# Altium PCB PM12_CFD.PcbDoc (part 4 of 12) (continued)
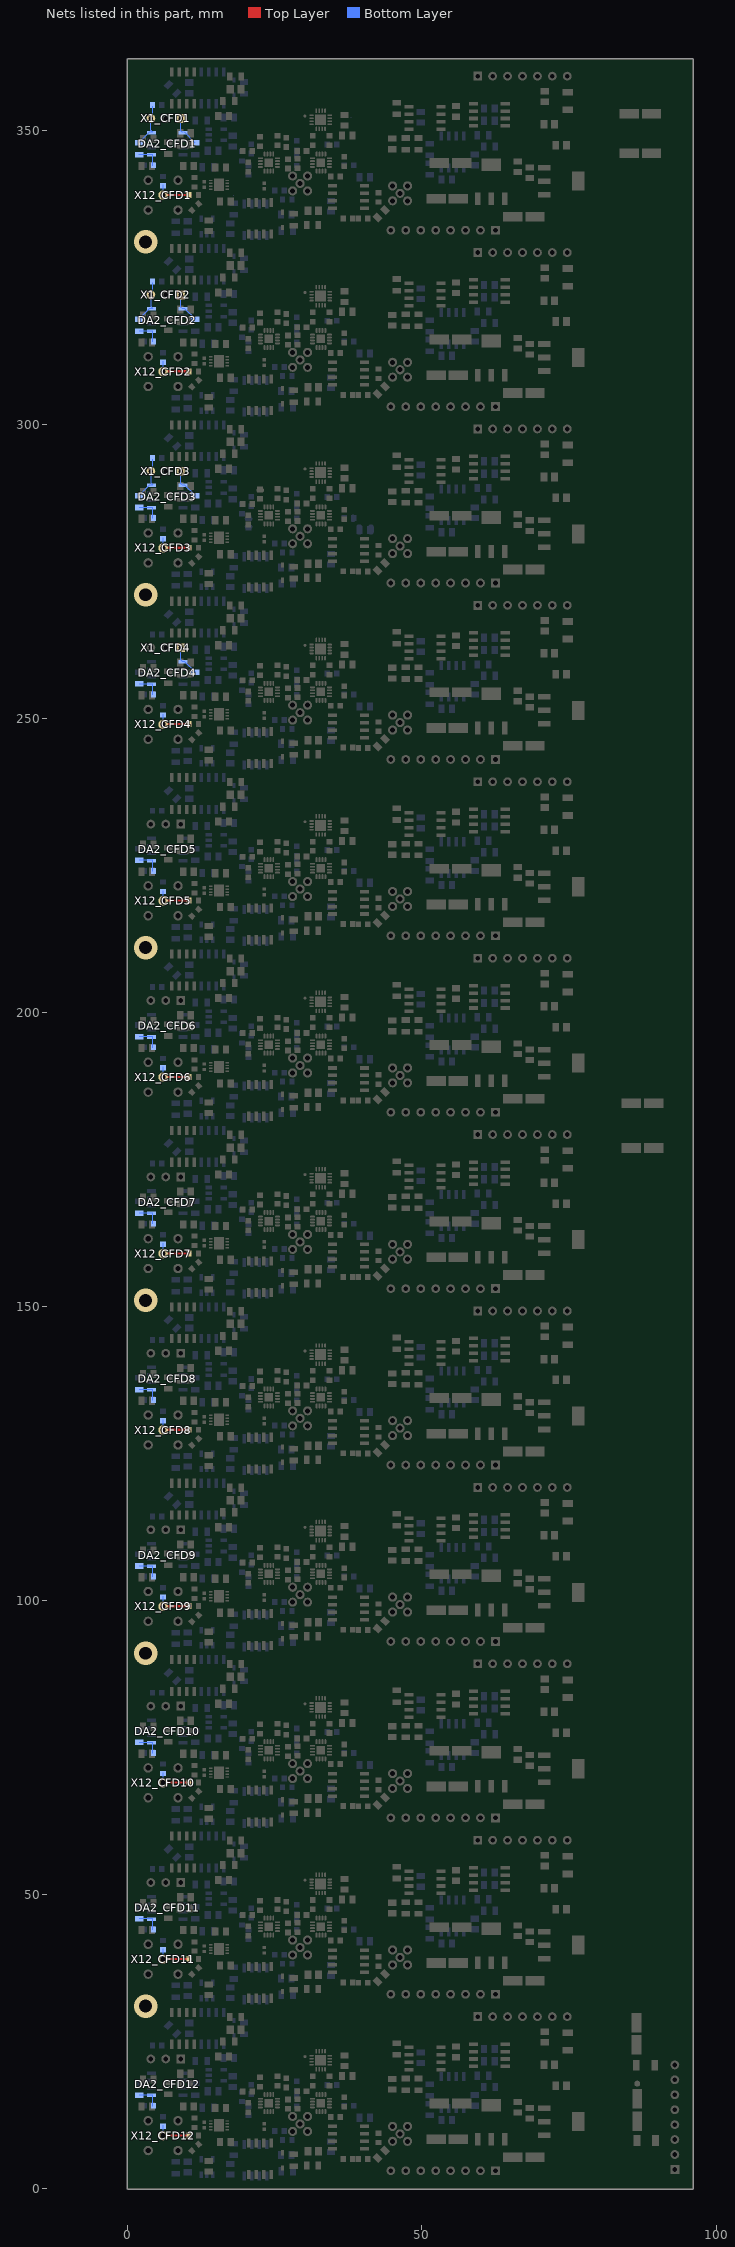
[diagram p8: the nets of this part, all layers, seen from the top]
## Part data (continued)
R1_CFD1 R1_CFD2 R1_CFD3 R1_CFD4 R1_CFD5 R1_CFD6 R1_CFD7 R1_CFD8 R1_CFD9 R1_CFD10 R1_CFD11 R1_CFD12 R25_CFD1 R25_CFD2 R25_CFD3 R25_CFD4 R25_CFD5 R25_CFD6 R25_CFD7 R25_CFD8 R25_CFD9 R25_CFD10 R25_CFD11 R25_CFD12: library part R0805_20R_1%_0.125W_100PPM, "Resistor - 1%", Case=0805, Manufacturer=GENERIC, Manufacturer1 ComponentHeight=0.6mm, Manufacturer1 Example="NIC COMPONENT", Manufacturer1 Part Number=NRC10F20R0TRF, Power=0.125W, Tolerance=±1%, Author="CERN DEM JLC", Component Type=Standard, CreateDate=03.12.2007, HelpURL=\\cern.ch\dfs\Applications\Altium\Datasheets\R0805_NIC_NRC.pdf, LatestRevisionDate=13.03.2008, Manufacturer Part Number=R0805_20R_1%_0.125W_100PPM, Mounted=Yes, Part Description="General Purpose Thick Film Chip Resistor", Part Number=R0805_20R_1%_0.125W_100PPM, Pin Count=2, PressFit=No, Sense=No, SMD=Yes, Socket=No, Status=Preferred, TC=±100ppm/°C
R2_CFD1 R2_CFD2 R2_CFD3 R2_CFD4 R2_CFD5 R2_CFD6 R2_CFD7 R2_CFD8 R2_CFD9 R2_CFD10 R2_CFD11 R2_CFD12: library part R0603_36R_0.1%_0.1W_10PPM, "Resistor - 0.1%", Case=0603, Manufacturer=GENERIC, Manufacturer1 ComponentHeight=0.55mm, Manufacturer1 Example=YAGEO, Manufacturer1 Part Number=RT0603BRC0736RL, Power=0.1W, Tolerance=±0.1%, Author="CERN DEM HF", Component Type=Standard, CreateDate=25.04.2024, HelpURL=\\cern.ch\dfs\Applications\Altium\Datasheets\R0603_YAGEO_RT.pdf, LatestRevisionDate=25.04.2024, Manufacturer Part Number=R0603_36R_0.1%_0.1W_10PPM, Mounted=Yes, Part Description="Thin Film Chip Resistor", Part Number=R0603_36R_0.1%_0.1W_10PPM, Pin Count=2, PressFit=No, Sense=No, SMD=Yes, Socket=No, Status="Not Recommended", TC=±10ppm/°C
R3_CFD1 R3_CFD2 R3_CFD3 R3_CFD4 R3_CFD5 R3_CFD6 R3_CFD7 R3_CFD8 R3_CFD9 R3_CFD10 R3_CFD11 R3_CFD12 R7_CFD1 R7_CFD2 R7_CFD3 R7_CFD4 R7_CFD5 R7_CFD6 R7_CFD7 R7_CFD8 R7_CFD9 R7_CFD10 R7_CFD11 R7_CFD12: library part R0805_51R_1%_0.125W_100PPM, "Resistor - 1%", Case=0805, Manufacturer=GENERIC, Manufacturer1 ComponentHeight=0.6mm, Manufacturer1 Example="NIC COMPONENT", Manufacturer1 Part Number=NRC10F51R0TRF, Power=0.125W, Tolerance=±1%, Author="CERN DEM JLC", Component Type=Standard, CreateDate=03.12.2007, HelpURL=\\cern.ch\dfs\Applications\Altium\Datasheets\R0805_NIC_NRC.pdf, LatestRevisionDate=13.03.2008, Manufacturer Part Number=R0805_51R_1%_0.125W_100PPM, Mounted=Yes, Part Description="General Purpose Thick Film Chip Resistor", Part Number=R0805_51R_1%_0.125W_100PPM, Pin Count=2, PressFit=No, Sense=No, SMD=Yes, Socket=No, Status=Preferred, TC=±100ppm/°C
R4_CFD1 R4_CFD2 R4_CFD3 R4_CFD4 R4_CFD5 R4_CFD6 R4_CFD7 R4_CFD8 R4_CFD9 R4_CFD10 R4_CFD11 R4_CFD12: library part R0603_18R_0.1%_0.1W_25PPM, "Resistor - 0.1%", Case=0603, Manufacturer=GENERIC, Manufacturer1 ComponentHeight=0.55mm, Manufacturer1 Example=YAGEO, Manufacturer1 Part Number=RT0603BRD0718RL, Power=0.1W, Tolerance=±0.1%, Author="CERN DEM HF", Component Type=Standard, CreateDate=25.04.2024, HelpURL=\\cern.ch\dfs\Applications\Altium\Datasheets\R0603_YAGEO_RT.pdf, LatestRevisionDate=25.04.2024, Manufacturer Part Number=R0603_18R_0.1%_0.1W_25PPM, Mounted=Yes, Part Description="Thin Film Chip Resistor", Part Number=R0603_18R_0.1%_0.1W_25PPM, Pin Count=2, PressFit=No, Sense=No, SMD=Yes, Socket=No, Status="Not Recommended", TC=±25ppm/°C
R5_CFD1 R5_CFD2 R5_CFD3 R5_CFD4 R5_CFD5 R5_CFD6 R5_CFD7 R5_CFD8 R5_CFD9 R5_CFD10 R5_CFD11 R5_CFD12: library part R0805_1K_1%_0.125W_100PPM, "Resistor - 1%", Case=0805, Manufacturer=GENERIC, Manufacturer1 ComponentHeight=0.6mm, Manufacturer1 Example="NIC COMPONENT", Manufacturer1 Part Number=NRC10F1001TRF, Power=0.125W, Tolerance=±1%, Author="CERN DEM JLC", Component Type=Standard, CreateDate=03.12.2007, HelpURL=\\cern.ch\dfs\Applications\Altium\Datasheets\R0805_NIC_NRC.pdf, LatestRevisionDate=13.03.2008, Manufacturer Part Number=R0805_1K_1%_0.125W_100PPM, Mounted=Yes, Part Description="General Purpose Thick Film Chip Resistor", Part Number=R0805_1K_1%_0.125W_100PPM, Pin Count=2, PressFit=No, Sense=No, SMD=Yes, Socket=No, Status=Preferred, TC=±100ppm/°C
R6_CFD1 R6_CFD2 R6_CFD3 R6_CFD4 R6_CFD5 R6_CFD6 R6_CFD7 R6_CFD8 R6_CFD9 R6_CFD10 R6_CFD11 R6_CFD12: library part R0402_240R_0.1%_0.0625W_10PPM, "Resistor - 0.1%", Case=0402, Manufacturer=GENERIC, Manufacturer1 ComponentHeight=0.4mm, Manufacturer1 Example=PANASONIC, Manufacturer1 Part Number=ERA2ARB241X, Power=0.063W, Tolerance=±0.1%, Author="CERN DEM HF", Component Type=Standard, CreateDate=25.04.2024, HelpURL=\\cern.ch\dfs\Applications\Altium\Datasheets\R0402_PANASONIC_ERA.pdf, LatestRevisionDate=25.04.2024, Manufacturer Part Number=R0402_240R_0.1%_0.0625W_10PPM, Mounted=Yes, Part Description="Thick Film Chip Resistor", Part Number=R0402_240R_0.1%_0.0625W_10PPM, Pin Count=2, PressFit=No, Sense=No, SMD=Yes, Socket=No, Status="Not Recommended", TC=±10ppm/°C
R8_CFD1 R8_CFD2 R8_CFD3 R8_CFD4 R8_CFD5 R8_CFD6 R8_CFD7 R8_CFD8 R8_CFD9 R8_CFD10 R8_CFD11 R8_CFD12 R48_CFD1 R48_CFD2 R48_CFD3 R48_CFD4 R48_CFD5 R48_CFD6 R48_CFD7 R48_CFD8 R48_CFD9 R48_CFD10 R48_CFD11 R48_CFD12: library part R0805_680R_0.05%_0.125W_10PPM, "Resistor - 0.05%", Case=0805, Manufacturer=GENERIC, Manufacturer1 ComponentHeight=0.5mm, Manufacturer1 Example=SUSUMU, Manufacturer1 Part Number=RG2012N-681-W-T1, Power=0.1W, Tolerance=±0.1%, Author="CERN DEM HF", Component Type=Standard, CreateDate=25.04.2024, HelpURL=\\cern.ch\dfs\Applications\Altium\Datasheets\R0805_SUSUMU_RG.pdf, LatestRevisionDate=25.04.2024, Manufacturer Part Number=R0805_680R_0.05%_0.125W_10PPM, Mounted=Yes, Part Description="Thin Film Chip Resistor", Part Number=R0805_680R_0.05%_0.125W_10PPM, Pin Count=2, PressFit=No, Sense=No, SMD=Yes, Socket=No, Status="Not Recommended", TC=±10ppm/°C
R9_CFD1 R9_CFD2 R9_CFD3 R9_CFD4 R9_CFD5 R9_CFD6 R9_CFD7 R9_CFD8 R9_CFD9 R9_CFD10 R9_CFD11 R9_CFD12 R19_CFD1 R19_CFD2 R19_CFD3 R19_CFD4 R19_CFD5 R19_CFD6 R19_CFD7 R19_CFD8 R19_CFD9 R19_CFD10 R19_CFD11 R19_CFD12 R45_CFD1 R45_CFD2 R45_CFD3 R45_CFD4 R45_CFD5 R45_CFD6 R45_CFD7 R45_CFD8 R45_CFD9 R45_CFD10 R45_CFD11 R45_CFD12 R50_CFD1 R50_CFD2 R50_CFD3 R50_CFD4 R50_CFD5 R50_CFD6 R50_CFD7 R50_CFD8 R50_CFD9 R50_CFD10 R50_CFD11 R50_CFD12: library part R0603_510R_0.1%_0.1W_10PPM, "Resistor - 0.05%", Case=0805, Manufacturer=GENERIC, Manufacturer1 ComponentHeight=0.5mm, Manufacturer1 Example=SUSUMU, Manufacturer1 Part Number=RG1608N-511-W-T1, Power=0.1W, Tolerance=±0.1%, Author="CERN DEM HF", Component Type=Standard, CreateDate=25.04.2024, HelpURL=\\cern.ch\dfs\Applications\Altium\Datasheets\R0603_SUSUMU_RG.pdf, LatestRevisionDate=25.04.2024, Manufacturer Part Number=R0603_510R_0.1%_0.1W_10PPM, Mounted=Yes, Part Description="Thin Film Chip Resistor", Part Number=R0603_510R_0.1%_0.1W_10PPM, Pin Count=2, PressFit=No, Sense=No, SMD=Yes, Socket=No, Status="Not Recommended", TC=±10ppm/°C
R10_CFD1 R10_CFD2 R10_CFD3 R10_CFD4 R10_CFD5 R10_CFD6 R10_CFD7 R10_CFD8 R10_CFD9 R10_CFD10 R10_CFD11 R10_CFD12 R41_CFD1 R41_CFD2 R41_CFD3 R41_CFD4 R41_CFD5 R41_CFD6 R41_CFD7 R41_CFD8 R41_CFD9 R41_CFD10 R41_CFD11 R41_CFD12: library part R0805_51R_0.05%_0.125W_10PPM, "Resistor - 0.05%", Case=0805, Manufacturer=GENERIC, Manufacturer1 ComponentHeight=0.5mm, Manufacturer1 Example=SUSUMU, Manufacturer1 Part Number=RG2012N-510-W-T1, Power=0.1W, Tolerance=±0.1%, Author="CERN DEM HF", Component Type=Standard, CreateDate=25.04.2024, HelpURL=\\cern.ch\dfs\Applications\Altium\Datasheets\R0805_SUSUMU_RG.pdf, LatestRevisionDate=25.04.2024, Manufacturer Part Number=R0805_51R_0.05%_0.125W_10PPM, Mounted=Yes, Part Description="Thin Film Chip Resistor", Part Number=R0805_51R_0.05%_0.125W_10PPM, Pin Count=2, PressFit=No, Sense=No, SMD=Yes, Socket=No, Status="Not Recommended", TC=±10ppm/°C
R11_CFD1 R11_CFD2 R11_CFD3 R11_CFD4 R11_CFD5 R11_CFD6 R11_CFD7 R11_CFD8 R11_CFD9 R11_CFD10 R11_CFD11 R11_CFD12: library part R0603_75R_0.1%_0.063W_10PPM, "Resistor - 0.1%", Case=0603, Manufacturer=GENERIC, Manufacturer1 ComponentHeight=0.5mm, Manufacturer1 Example="TYCO HOLSWORTHY", Manufacturer1 Part Number=RN73C1J75RBTDF, Power=0.063W, Tolerance=±0.1%, Author="CERN DEM JLC", Component Type=Standard, CreateDate=03.12.2007, HelpURL=\\cern.ch\dfs\Applications\Altium\Datasheets\R0603_Tyco_RN73.pdf, LatestRevisionDate=13.03.2008, Manufacturer Part Number=R0603_75R_0.1%_0.063W_10PPM, Mounted=Yes, Part Description="Thin Film Chip Resistor", Part Number=R0603_75R_0.1%_0.063W_10PPM, Pin Count=2, PressFit=No, Sense=No, SMD=Yes, Socket=No, Status="Not Recommended", TC=±10ppm
R12_CFD1 R12_CFD2 R12_CFD3 R12_CFD4 R12_CFD5 R12_CFD6 R12_CFD7 R12_CFD8 R12_CFD9 R12_CFD10 R12_CFD11 R12_CFD12 R16_CFD1 R16_CFD2 R16_CFD3 R16_CFD4 R16_CFD5 R16_CFD6 R16_CFD7 R16_CFD8 R16_CFD9 R16_CFD10 R16_CFD11 R16_CFD12 R17_CFD1 R17_CFD2 R17_CFD3 R17_CFD4 R17_CFD5 R17_CFD6 R17_CFD7 R17_CFD8 R17_CFD9 R17_CFD10 R17_CFD11 R17_CFD12 R42_CFD1 R42_CFD2 R42_CFD3 R42_CFD4 R42_CFD5 R42_CFD6 R42_CFD7 R42_CFD8 R42_CFD9 R42_CFD10 R42_CFD11 R42_CFD12: library part R0805_10K_0.1%_0.1W_10PPM, "Resistor - 0.1%", Case=0805, Manufacturer=GENERIC, Manufacturer1 ComponentHeight=0.6mm, Manufacturer1 Example="TYCO HOLSWORTHY", Manufacturer1 Part Number=RN73C2A10KBTG, Power=0.1W, Tolerance=±0.1%, Author="CERN DEM JLC", Component Type=Standard, CreateDate=03.12.2007, HelpURL=\\cern.ch\dfs\Applications\Altium\Datasheets\R0805_Tyco_RN73.pdf, LatestRevisionDate=13.03.2008, Manufacturer Part Number=R0805_10K_0.1%_0.1W_10PPM, Mounted=Yes, Part Description="Thin Film Chip Resistor", Part Number=R0805_10K_0.1%_0.1W_10PPM, Pin Count=2, PressFit=No, Sense=No, SMD=Yes, Socket=No, Status="Not Recommended", TC=±10ppm
R13_CFD1 R13_CFD2 R13_CFD3 R13_CFD4 R13_CFD5 R13_CFD6 R13_CFD7 R13_CFD8 R13_CFD9 R13_CFD10 R13_CFD11 R13_CFD12 R43_CFD1 R43_CFD2 R43_CFD3 R43_CFD4 R43_CFD5 R43_CFD6 R43_CFD7 R43_CFD8 R43_CFD9 R43_CFD10 R43_CFD11 R43_CFD12: library part R0805_1K_0.1%_0.1W_10PPM, "Resistor - 0.1%", Case=0805, Manufacturer=GENERIC, Manufacturer1 ComponentHeight=0.6mm, Manufacturer1 Example="TYCO HOLSWORTHY", Manufacturer1 Part Number=RN73C2A1K0BTG, Power=0.1W, Tolerance=±0.1%, Author="CERN DEM JLC", Component Type=Standard, CreateDate=28.05.2013, HelpURL=\\cern.ch\dfs\Applications\Altium\Datasheets\R0805_TYCO_RN73.pdf, LatestRevisionDate=28.05.2013, Manufacturer Part Number=R0805_1K_0.1%_0.1W_10PPM, Mounted=Yes, Part Description="Thin Film Chip Resistor", Part Number=R0805_1K_0.1%_0.1W_10PPM, Pin Count=2, PressFit=No, Sense=No, SMD=Yes, Socket=No, Status="Not Recommended", TC=±10ppm
R14_CFD1 R14_CFD2 R14_CFD3 R14_CFD4 R14_CFD5 R14_CFD6 R14_CFD7 R14_CFD8 R14_CFD9 R14_CFD10 R14_CFD11 R14_CFD12: library part R0805_20R_0.1%_0.1W_10PPM, "Resistor - 0.1%", Case=0805, Manufacturer=GENERIC, Manufacturer1 ComponentHeight=0.6mm, Manufacturer1 Example="TYCO HOLSWORTHY", Manufacturer1 Part Number=RN73C2A20RBTG, Power=0.1W, Tolerance=±0.1%, Author="CERN DEM JLC", Component Type=Standard, CreateDate=03.12.2007, HelpURL=\\cern.ch\dfs\Applications\Altium\Datasheets\R0805_Tyco_RN73.pdf, LatestRevisionDate=13.03.2008, Manufacturer Part Number=R0805_20R_0.1%_0.1W_10PPM, Mounted=Yes, Part Description="Thin Film Chip Resistor", Part Number=R0805_20R_0.1%_0.1W_10PPM, Pin Count=2, PressFit=No, Sense=No, SMD=Yes, Socket=No, Status="Not Recommended", TC=±10ppm
R15_CFD1 R15_CFD2 R15_CFD3 R15_CFD4 R15_CFD5 R15_CFD6 R15_CFD7 R15_CFD8 R15_CFD9 R15_CFD10 R15_CFD11 R15_CFD12: library part R0805_100R_0.1%_0.1W_10PPM, "Resistor - 0.1%", Case=0805, Manufacturer=GENERIC, Manufacturer1 ComponentHeight=0.6mm, Manufacturer1 Example="TYCO HOLSWORTHY", Manufacturer1 Part Number=RN73C2A100RBTG, Power=0.1W, Tolerance=±0.1%, Author="CERN DEM JLC", Component Type=Standard, CreateDate=03.12.2007, HelpURL=\\cern.ch\dfs\Applications\Altium\Datasheets\R0805_Tyco_RN73.pdf, LatestRevisionDate=13.03.2008, Manufacturer Part Number=R0805_100R_0.1%_0.1W_10PPM, Mounted=Yes, Part Description="Thin Film Chip Resistor", Part Number=R0805_100R_0.1%_0.1W_10PPM, Pin Count=2, PressFit=No, Sense=No, SMD=Yes, Socket=No, Status="Not Recommended", TC=±10ppm
R18_CFD1 R18_CFD2 R18_CFD3 R18_CFD4 R18_CFD5 R18_CFD6 R18_CFD7 R18_CFD8 R18_CFD9 R18_CFD10 R18_CFD11 R18_CFD12 R44_CFD1 R44_CFD2 R44_CFD3 R44_CFD4 R44_CFD5 R44_CFD6 R44_CFD7 R44_CFD8 R44_CFD9 R44_CFD10 R44_CFD11 R44_CFD12: library part R0805_200R_0.1%_0.1W_10PPM, "Resistor - 0.1%", Case=0805, Manufacturer=GENERIC, Manufacturer1 ComponentHeight=0.6mm, Manufacturer1 Example="TYCO HOLSWORTHY", Manufacturer1 Part Number=RN73C2A200RBTG, Power=0.1W, Tolerance=±0.1%, Author="CERN DEM JLC", Component Type=Standard, CreateDate=03.12.2007, HelpURL=\\cern.ch\dfs\Applications\Altium\Datasheets\R0805_Tyco_RN73.pdf, LatestRevisionDate=13.03.2008, Manufacturer Part Number=R0805_200R_0.1%_0.1W_10PPM, Mounted=Yes, Part Description="Thin Film Chip Resistor", Part Number=R0805_200R_0.1%_0.1W_10PPM, Pin Count=2, PressFit=No, Sense=No, SMD=Yes, Socket=No, Status="Not Recommended", TC=±10ppm
R20_CFD1 R20_CFD2 R20_CFD3 R20_CFD4 R20_CFD5 R20_CFD6 R20_CFD7 R20_CFD8 R20_CFD9 R20_CFD10 R20_CFD11 R20_CFD12: library part R0603_240R_1%_0.1W_100PPM, "Resistor - 1%", Case=0603, Manufacturer=GENERIC, Manufacturer1 ComponentHeight=0.55mm, Manufacturer1 Example="NIC COMPONENT", Manufacturer1 Part Number=NRC06F2400TRF, Power=0.1W, Tolerance=±1%, Author="CERN DEM JLC", Component Type=Standard, CreateDate=03.12.2007, HelpURL=\\cern.ch\dfs\Applications\Altium\Datasheets\R0603_NIC_NRC.pdf, LatestRevisionDate=13.03.2008, Manufacturer Part Number=R0603_240R_1%_0.1W_100PPM, Mounted=Yes, Part Description="General Purpose Thick Film Chip Resistor", Part Number=R0603_240R_1%_0.1W_100PPM, Pin Count=2, PressFit=No, Sense=No, SMD=Yes, Socket=No, Status=Preferred, TC=±100ppm/°C
R21_CFD1 R21_CFD2 R21_CFD3 R21_CFD4 R21_CFD5 R21_CFD6 R21_CFD7 R21_CFD8 R21_CFD9 R21_CFD10 R21_CFD11 R21_CFD12: library part R0603_120R_0.05%_0.1W_10PPM, "Resistor - 0.05%", Case=0805, Manufacturer=GENERIC, Manufacturer1 ComponentHeight=0.5mm, Manufacturer1 Example=SUSUMU, Manufacturer1 Part Number=RG1608N-121-W-T1, Power=0.1W, Tolerance=±0.05%, Author="CERN DEM HF", Component Type=Standard, CreateDate=25.04.2024, HelpURL=\\cern.ch\dfs\Applications\Altium\Datasheets\R0603_SUSUMU_RG.pdf, LatestRevisionDate=25.04.2024, Manufacturer Part Number=R0603_120R_0.05%_0.1W_10PPM, Mounted=Yes, Part Description="Thin Film Chip Resistor", Part Number=R0603_120R_0.05%_0.1W_10PPM, Pin Count=2, PressFit=No, Sense=No, SMD=Yes, Socket=No, Status="Not Recommended", TC=±10ppm/°C
R22_CFD1 R22_CFD2 R22_CFD3 R22_CFD4 R22_CFD5 R22_CFD6 R22_CFD7 R22_CFD8 R22_CFD9 R22_CFD10 R22_CFD11 R22_CFD12 R23_CFD1 R23_CFD2 R23_CFD3 R23_CFD4 R23_CFD5 R23_CFD6 R23_CFD7 R23_CFD8 R23_CFD9 R23_CFD10 R23_CFD11 R23_CFD12: library part R0603_3K3_1%_0.1W_100PPM, "Resistor - 1%", Case=0603, Manufacturer=GENERIC, Manufacturer1 ComponentHeight=0.55mm, Manufacturer1 Example="NIC COMPONENT", Manufacturer1 Part Number=NRC06F3301TRF, Power=0.1W, Tolerance=±1%, Author="CERN DEM JLC", Component Type=Standard, CreateDate=03.12.2007, HelpURL=\\cern.ch\dfs\Applications\Altium\Datasheets\R0603_NIC_NRC.pdf, LatestRevisionDate=13.03.2008, Manufacturer Part Number=R0603_3K3_1%_0.1W_100PPM, Mounted=Yes, Part Description="General Purpose Thick Film Chip Resistor", Part Number=R0603_3K3_1%_0.1W_100PPM, Pin Count=2, PressFit=No, Sense=No, SMD=Yes, Socket=No, Status=Preferred, TC=±100ppm/°C
R24_CFD1 R24_CFD2 R24_CFD3 R24_CFD4 R24_CFD5 R24_CFD6 R24_CFD7 R24_CFD8 R24_CFD9 R24_CFD10 R24_CFD11 R24_CFD12: library part R0603_16R_0.1%_0.1W_10PPM, "Resistor - 0.1%", Case=0603, Manufacturer=GENERIC, Manufacturer1 ComponentHeight=0.55mm, Manufacturer1 Example=YAGEO, Manufacturer1 Part Number=RT0603BRB0716RL, Power=0.1W, Tolerance=±0.1%, Author="CERN DEM HF", Component Type=Standard, CreateDate=25.04.2024, HelpURL=\\cern.ch\dfs\Applications\Altium\Datasheets\R0603_YAGEO_RT.pdf, LatestRevisionDate=25.04.2024, Manufacturer Part Number=R0603_16R_0.1%_0.1W_10PPM, Mounted=Yes, Part Description="Thin Film Chip Resistor", Part Number=R0603_16R_0.1%_0.1W_10PPM, Pin Count=2, PressFit=No, Sense=No, SMD=Yes, Socket=No, Status="Not Recommended", TC=±10ppm/°C
R28_CFD1 R28_CFD2 R28_CFD3 R28_CFD4 R28_CFD5 R28_CFD6 R28_CFD7 R28_CFD8 R28_CFD9 R28_CFD10 R28_CFD11 R28_CFD12: library part R0805_20K_1%_0.125W_100PPM, "Resistor - 1%", Case=0805, Manufacturer=GENERIC, Manufacturer1 ComponentHeight=0.6mm, Manufacturer1 Example="NIC COMPONENT", Manufacturer1 Part Number=NRC10F2002TRF, Power=0.125W, Tolerance=±1%, Author="CERN DEM JLC", Component Type=Standard, CreateDate=03.12.2007, HelpURL=\\cern.ch\dfs\Applications\Altium\Datasheets\R0805_NIC_NRC.pdf, LatestRevisionDate=13.03.2008, Manufacturer Part Number=R0805_20K_1%_0.125W_100PPM, Mounted=Yes, Part Description="General Purpose Thick Film Chip Resistor", Part Number=R0805_20K_1%_0.125W_100PPM, Pin Count=2, PressFit=No, Sense=No, SMD=Yes, Socket=No, Status=Preferred, TC=±100ppm/°C
R29_CFD1 R29_CFD2 R29_CFD3 R29_CFD4 R29_CFD5 R29_CFD6 R29_CFD7 R29_CFD8 R29_CFD9 R29_CFD10 R29_CFD11 R29_CFD12: library part R0805_33K_1%_0.125W_100PPM, "Resistor - 1%", Case=0805, Manufacturer=GENERIC, Manufacturer1 ComponentHeight=0.6mm, Manufacturer1 Example="NIC COMPONENT", Manufacturer1 Part Number=NRC10F3302TRF, Power=0.125W, Tolerance=±1%, Author="CERN DEM JLC", Component Type=Standard, CreateDate=03.12.2007, HelpURL=\\cern.ch\dfs\Applications\Altium\Datasheets\R0805_NIC_NRC.pdf, LatestRevisionDate=13.03.2008, Manufacturer Part Number=R0805_33K_1%_0.125W_100PPM, Mounted=Yes, Part Description="General Purpose Thick Film Chip Resistor", Part Number=R0805_33K_1%_0.125W_100PPM, Pin Count=2, PressFit=No, Sense=No, SMD=Yes, Socket=No, Status=Preferred, TC=±100ppm/°C
R39_CFD1 R39_CFD2 R39_CFD3 R39_CFD4 R39_CFD5 R39_CFD6 R39_CFD7 R39_CFD8 R39_CFD9 R39_CFD10 R39_CFD11 R39_CFD12: library part R0402_510R_0.1%_0.0625W_10PPM, "Resistor - 0.1%", Case=0402, Manufacturer=GENERIC, Manufacturer1 ComponentHeight=0.4mm, Manufacturer1 Example=PANASONIC, Manufacturer1 Part Number=ERA2ARB511X, Power=0.063W, Tolerance=±0.1%, Author="CERN DEM HF", Component Type=Standard, CreateDate=25.04.2024, HelpURL=\\cern.ch\dfs\Applications\Altium\Datasheets\R0402_PANASONIC_ERA.pdf, LatestRevisionDate=25.04.2024, Manufacturer Part Number=R0402_510R_0.1%_0.0625W_10PPM, Mounted=Yes, Part Description="Thick Film Chip Resistor", Part Number=R0402_510R_0.1%_0.0625W_10PPM, Pin Count=2, PressFit=No, Sense=No, SMD=Yes, Socket=No, Status="Not Recommended", TC=±10ppm/°C
R40_CFD1 R40_CFD2 R40_CFD3 R40_CFD4 R40_CFD5 R40_CFD6 R40_CFD7 R40_CFD8 R40_CFD9 R40_CFD10 R40_CFD11 R40_CFD12: library part R0603_27R_0.1%_0.1W_10PPM, "Resistor - 0.1%", Case=0603, Manufacturer=GENERIC, Manufacturer1 ComponentHeight=0.55mm, Manufacturer1 Example=YAGEO, Manufacturer1 Part Number=RT0603BRB0727RL, Power=0.1W, Tolerance=±0.1%, Author="CERN DEM HF", Component Type=Standard, CreateDate=25.04.2024, HelpURL=\\cern.ch\dfs\Applications\Altium\Datasheets\R0603_YAGEO_RT.pdf, LatestRevisionDate=25.04.2024, Manufacturer Part Number=R0603_27R_0.1%_0.1W_10PPM, Mounted=Yes, Part Description="Thin Film Chip Resistor", Part Number=R0603_27R_0.1%_0.1W_10PPM, Pin Count=2, PressFit=No, Sense=No, SMD=Yes, Socket=No, Status="Not Recommended", TC=±10ppm/°C
R46_CFD1 R46_CFD2 R46_CFD3 R46_CFD4 R46_CFD5 R46_CFD6 R46_CFD7 R46_CFD8 R46_CFD9 R46_CFD10 R46_CFD11 R46_CFD12: library part R0603_51R_1%_0.1W_100PPM, "Resistor - 1%", Case=0603, Manufacturer=GENERIC, Manufacturer1 ComponentHeight=0.55mm, Manufacturer1 Example="NIC COMPONENT", Manufacturer1 Part Number=NRC06F51R0TRF, Power=0.1W, Tolerance=±1%, Author="CERN DEM JLC", Component Type=Standard, CreateDate=03.12.2007, HelpURL=\\cern.ch\dfs\Applications\Altium\Datasheets\R0603_NIC_NRC.pdf, LatestRevisionDate=13.03.2008, Manufacturer Part Number=R0603_51R_1%_0.1W_100PPM, Mounted=Yes, Part Description="General Purpose Thick Film Chip Resistor", Part Number=R0603_51R_1%_0.1W_100PPM, Pin Count=2, PressFit=No, Sense=No, SMD=Yes, Socket=No, Status=Preferred, TC=±100ppm/°C
VD1_CFD1 VD1_CFD2 VD1_CFD3 VD1_CFD4 VD1_CFD5 VD1_CFD6 VD1_CFD7 VD1_CFD8 VD1_CFD9 VD1_CFD10 VD1_CFD11 VD1_CFD12 VD2_CFD1 VD2_CFD2 VD2_CFD3 VD2_CFD4 VD2_CFD5 VD2_CFD6 VD2_CFD7 VD2_CFD8 VD2_CFD9 VD2_CFD10 VD2_CFD11 VD2_CFD12: "Schottky Diode", Case=SOD-323, Manufacturer=INFINEON, Power=100mA, Voltage=4V, Author="CERN DEM HF", Bonding=No, Component Type=Standard, ComponentHeight=1.1mm, CreateDate=15.04.2024, Device=BAT60A, HelpURL=\\cern.ch\dfs\Applications\Altium\Datasheets\BAT15-03W.pdf, LatestRevisionDate=15.04.2024, Manufacturer Part Number=BAT15-03W, Mounted=Yes, PackageDescription="Small Outline Diode (SOD-323), 1.70mm W X 1.25mm L X 1.10mm H body,  IPC Medium Density", Part Description="Single Silicon RF Schottky Diode", Part Number=BAT15-03W, Pin Count=2, PressFit=No, Sense=No, SMD=Yes, Socket=No
X1_CFD1 X1_CFD2 X1_CFD3 X1_CFD4 X1_CFD5 X1_CFD6 X1_CFD7 X1_CFD8 X1_CFD9 X1_CFD10 X1_CFD11 X1_CFD12: library part SAMTEC_CES-103-01-L-S, "Connector 3 Female", Manufacturer=SAMTEC, Manufacturer Part Number=CES-103-01-L-S, Author="CERN DEM HF", Component Type=Standard, ComponentHeight=5.08mm, CreateDate=25.04.2024, Family="Socket 3", HelpURL=\\cern.ch\dfs\Applications\Altium\Datasheets\SAMTEC_CES-103-01-T-S.pdf, LatestRevisionDate=25.04.2024, Mounted=Yes, Part Description="3 Contacts, Pitch 2.54mm, Single Row Through Mount Straight Socket (Lead Length 3.25mm)", Part Number=SAMTEC_CES-103-01-L-S, Pin Count=3, PressFit=No, Sense=No, SMD=No, Socket=No, Status=None
X2 X5_CFD1 X5_CFD2 X5_CFD3 X5_CFD4 X5_CFD5 X5_CFD6 X5_CFD7 X5_CFD8 X5_CFD9 X5_CFD10 X5_CFD11 X5_CFD12: library part SAMTEC_CES-108-01-L-S, "Connector 8 Female", Manufacturer=SAMTEC, Manufacturer Part Number=CES-108-01-L-S, Author="CERN DEM HF", Component Type=Standard, ComponentHeight=5.08mm, CreateDate=25.04.2024, Family="Socket 8", HelpURL=\\cern.ch\dfs\Applications\Altium\Datasheets\SAMTEC_CES-108-01-T-S.pdf, LatestRevisionDate=25.04.2024, Mounted=Yes, Part Description="8 Contacts, Pitch 2.54mm, Single Row Through Mount Straight Socket (Lead Length 3.25mm)", Part Number=SAMTEC_CES-108-01-L-S, Pin Count=8, PressFit=No, Sense=No, SMD=No, Socket=No, Status=None
X3_CFD1 X3_CFD2 X3_CFD3 X3_CFD4 X3_CFD5 X3_CFD6 X3_CFD7 X3_CFD8 X3_CFD9 X3_CFD10 X3_CFD11 X3_CFD12 X4_CFD1 X4_CFD2 X4_CFD3 X4_CFD4 X4_CFD5 X4_CFD6 X4_CFD7 X4_CFD8 X4_CFD9 X4_CFD10 X4_CFD11 X4_CFD12: library part SAMTEC_MMCX-J-P-H-ST-TH1, Manufacturer=SAMTEC, Manufacturer Part Number=MMCX-J-P-H-ST-TH1, Author="CERN DEM JLC", Component Type=Standard, ComponentHeight=4.35mm, CreateDate=05.12.2012, HelpURL=\\cern.ch\dfs\Applications\Altium\Datasheets\SAMTEC_MMCX-J-P-H-ST-TH1.pdf, LatestRevisionDate=05.12.2012, Mounted=Yes, Part Description="Straight Through-hole 50 Ohms Micro Mini RF Jack, MMCX Series", Part Number=SAMTEC_MMCX-J-P-H-ST-TH1, Pin Count=2, PressFit=No, Sense=No, SMD=No, Socket=No, Status=None
X12_CFD1 X12_CFD2 X12_CFD3 X12_CFD4 X12_CFD5 X12_CFD6 X12_CFD7 X12_CFD8 X12_CFD9 X12_CFD10 X12_CFD11 X12_CFD12: library part LEMO_EPL.00.250.NTN, Manufacturer=LEMO, Manufacturer Part Number=EPL.00.250.NTN, Author="CERN DEM JLC", Component Type=Standard, ComponentHeight=7mm, CreateDate=03.12.2007, Family="LEMO 00", HelpURL=\\cern.ch\dfs\Applications\Altium\Datasheets\LEMO_EPL.00.250.NTN.pdf, LatestRevisionDate=11.02.2016, Mounted=Yes, Part Description="Size 00, 50 Ohms Coaxial Elbow (90°) socket", Part Number=LEMO_EPL.00.250.NTN, Pin Count=2, PressFit=No, Sense=No, SMD=No, Socket=No, Status=Obsolete
X13_CFD1 X13_CFD2 X13_CFD3 X13_CFD4 X13_CFD5 X13_CFD6 X13_CFD7 X13_CFD8 X13_CFD9 X13_CFD10 X13_CFD11 X13_CFD12: library part SAMTEC_CES-107-01-L-S, "Connector 7 Female", Manufacturer=SAMTEC, Manufacturer Part Number=CES-107-01-L-S, Author="CERN DEM HF", Component Type=Standard, ComponentHeight=5.08mm, CreateDate=25.04.2024, Family="Socket 7", HelpURL=\\cern.ch\dfs\Applications\Altium\Datasheets\SAMTEC_CES-107-01-T-S.pdf, LatestRevisionDate=25.04.2024, Mounted=Yes, Part Description="7 Contacts, Pitch 2.54mm, Single Row Through Mount Straight Socket (Lead Length 3.25mm)", Part Number=SAMTEC_CES-107-01-L-S, Pin Count=7, PressFit=No, Sense=No, SMD=No, Socket=No, Status=None

## Free pads (board coordinates)
  round 0.2 smd far side: 1(4.17,347.17) 1(13.92,350.2) 1(15.04,359.7) 1(17.97,338.9) 1(37.936,352.139)
  round 0.2 smd: 1(11.37,343.9) 1(23.17,332.3)
  oval 1.3x0.75 smd far side: 1(20.507,282.55) 1(20.507,283.9)
  oval 1.3x0.75 smd: 1(22.5,288.774)
  round 0.5 smd: 1(30.07,352.4) 1(30.1,22.4) 1(30.1,52.4) 1(30.1,82.4) 1(30.1,112.4) 1(30.1,142.4) 1(30.1,172.4) 1(30.1,202.4) 1(30.1,232.4) 1(30.1,262.4) 1(30.1,292.4) 1(30.1,322.4)
  oval 0.75x1.3 smd far side: 1(38.264,284)
  oval 1x1.75 smd far side: 1(39.33,282.1) 1(41.33,282.1)
  round 1 smd: 1(86.5,24.2) 1(86.6,17.8)

## Via types
v1: diameter 0.48, hole 0.25, Top Layer to Bottom Layer, 1581 vias
v2: diameter 1, hole 0.6, Top Layer to Bottom Layer, 46 vias
v3: diameter 0.2/0/0/0/0/0.48 (per signal layer), hole 0.25, Top Layer to Bottom Layer, 33 vias
v4: diameter 4, hole 2.2, Top Layer to Bottom Layer, 12 vias
v5: diameter 0.5/0/0/0/0/1 (per signal layer), hole 0.6, Top Layer to Bottom Layer, 10 vias
